# Allegro board 20250806_UNOQ.brd (continued)
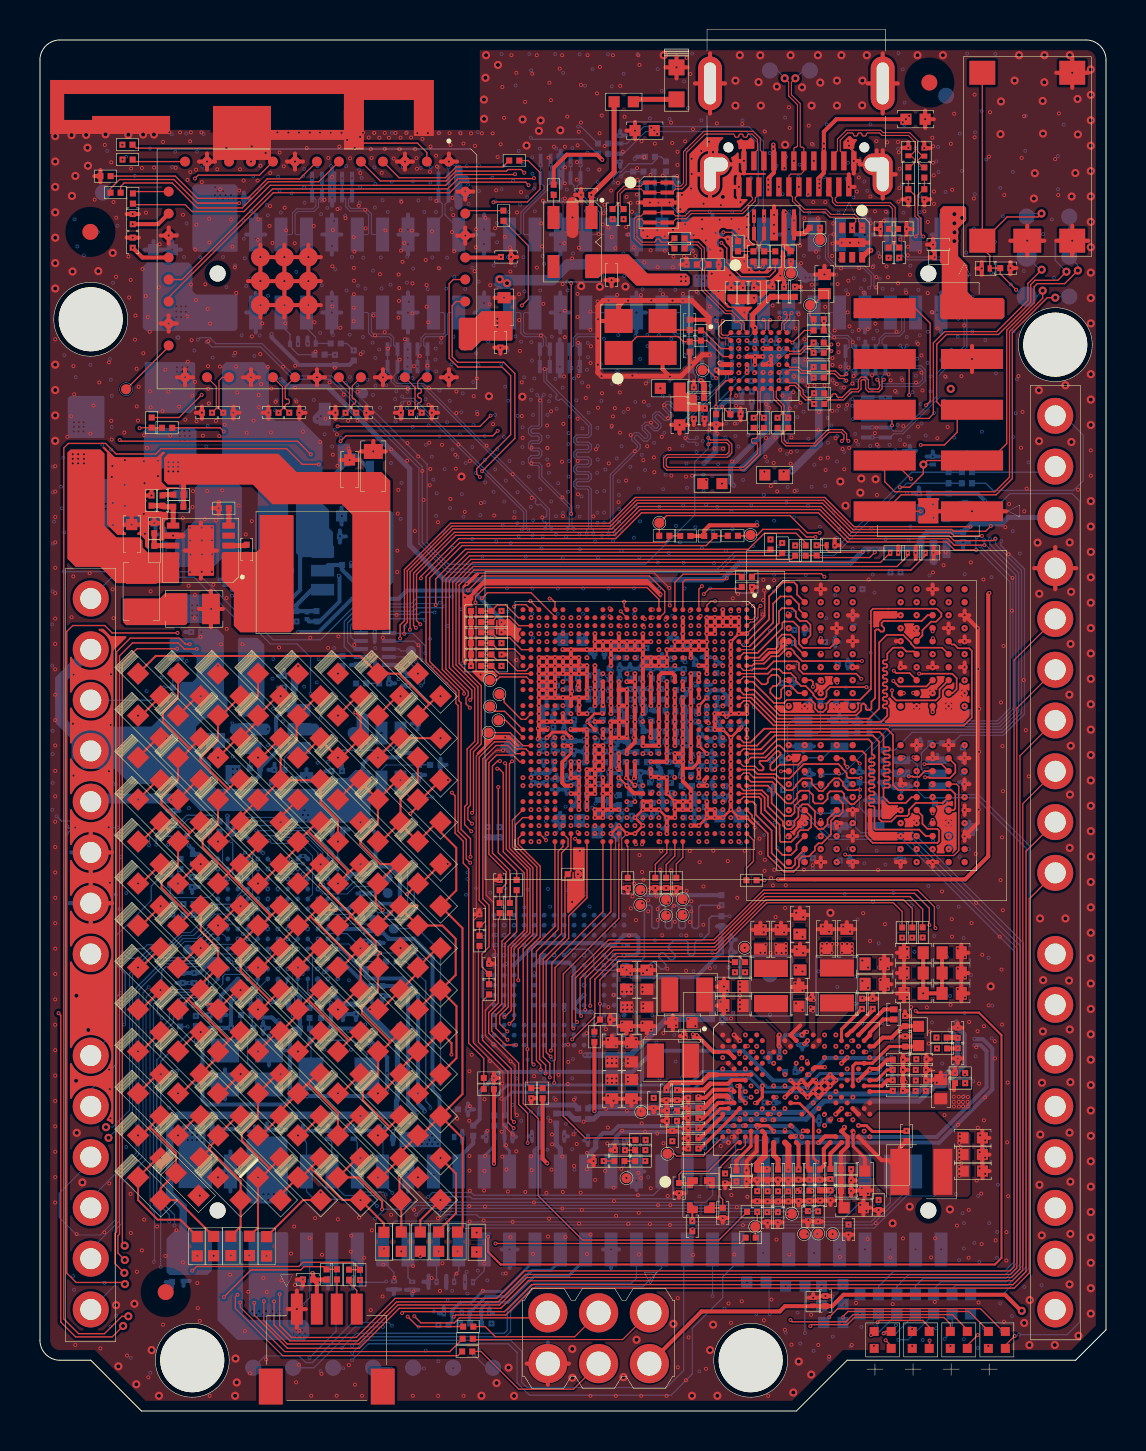
[diagram p0: board, top side]
## Routing (per net, layer and track width the routed paths; a pad name or vN(x,y) marks a point on that pad's centre or on a via; arc(x,y) is an arc through that point) (continued)
  S6 w0.064: v5(17.16,4.21) 17.07,4.21 16.27,5 16.27,7.81 11.18,12.9 v3(11.18,14.15)
  BOTTOM w0.066: v5(17.16,4.21) 15.76,4.21 13.72,2.17 TP1208.1
TP_JTAG_TDI: length 45.2
  TOP w0.066: v2(24.7,17.33) 24.61,17.42 24.61,23.09 25.77,24.25 SOC1.AE30
  S3 w0.064: 19.43,15.34 18.64,14.55 10.79,14.55 v3(10.52,14.83)
  S3 w0.066: 19.43,15.34 21.48,17.39 24.64,17.39 v2(24.7,17.33)
  S6 w0.064: v3(10.52,14.83) 11.03,14.83 11.5,14.36 11.5,12.79 16.43,7.86 16.43,5.29 17.41,4.31 v4(17.41,4.05)
  G7 w0.064: v4(17.41,4.05) 17.36,4.05 17.05,3.74 17.05,2.78 16.41,2.14 v5(15.18,2.14)
  BOTTOM w0.066: TP1209.1 14.7,2.14 v5(15.18,2.14)
TP_JTAG_TDO: length 44
  TOP w0.066: v2(25.3,16.89) 25.3,17.3 25,17.6 25,22.79 26.1,23.89 26.1,27.92 26.42,28.25 26.42,28.63 26.17,28.88
  S3 w0.064: v2(25.3,16.89) 21.51,16.89 18.85,14.22 11.81,14.22 11.35,13.77 v3(10.77,13.77)
  S6 w0.064: v4(17.36,3.75) 17.33,3.78 17.24,3.78 16.14,4.88 16.14,7.64 10.77,13.01 v3(10.77,13.77)
  G7 w0.064: v4(17.36,3.75) 17.36,2.31 v5(17.55,2.12)
  BOTTOM w0.066: TP1210.1 17.5,2.17 v5(17.55,2.12)
TP_JTAG_TMS: length 47.9
  S3 w0.064: v2(25.77,28.88) 25.54,29.11 25.24,29.11 25.19,29.06 24.9,29.06 24.61,29.35 22.04,29.35 21.76,29.63 21.42,29.63 20.67,28.88 v3(19.45,28.88) ; v3(17.58,15.09) 11.73,15.09 11.07,15.75 v3(10.24,15.75)
  S6 w0.064: v3(17.58,15.09) 17.73,15.09 19.79,17.14 19.79,26.85 19.26,27.37 19.26,28.69 v3(19.45,28.88) ; v3(10.24,15.75) 10.75,15.75 11.82,14.68 11.82,12.94 16.75,8.01 16.75,5.51 17.81,4.45 17.81,3.96 v4(17.79,3.94)
  G7 w0.064: v4(17.79,3.94) 17.79,3.69 19.22,2.26 v5(19.22,2.13)
  BOTTOM w0.066: v5(19.22,2.13) 19.21,2.14 18.7,2.14 TP1211.1
TP_JTAG_TRST_N: length 46.7
  TOP w0.066: v2(25.51,16.69) 25.51,17.39 25.18,17.72 25.18,22.61 26.27,23.7 26.27,26.71 R1208.1 26.57,27.01 26.57,28.71 26.57,28.71 SOC1.AC29
  S3 w0.066: v3(10.24,13.56) 10.39,13.41 11.28,13.41 11.84,13.97 18.85,13.97 21.5,16.62 25.44,16.62 v2(25.51,16.69)
  S6 w0.064: v4(18.1,3.68) 17.76,3.68 17.54,3.46 17.33,3.46 15.99,4.8 15.99,7.58 10.24,13.33 v3(10.24,13.56)
  G7 w0.064: v4(18.1,3.68) 19.64,2.14 v5(20.67,2.14)
TP_USB0_SS_RX1_M: length 4.3
  S3 w0.051: v2(32.27,24.9) 32.27,25.07 32.32,25.12 32.44,25.12 32.77,25.45 32.77,28.69 v2(32.97,28.88)
TP_USB0_SS_RX1_P: length 4.2
  S3 w0.051: v2(32.27,25.47) 32.2,25.4 32.2,25.29 32.24,25.25 32.39,25.25 32.65,25.5 32.65,28.8 v2(32.57,28.88)
TP_USB0_SS_TX1_M: length 5.4
  S3 w0.051: v2(31.44,25.44) 31.44,25.3 31.53,25.21 31.67,25.21 31.83,25.37 31.83,25.72 32.27,26.16 32.27,28.32 32.27,29.02 32.41,29.16 32.41,29.37 32.29,29.49 32.18,29.49 32.1,29.41 32.1,29.34 32.16,29.28 v2(32.17,29.28)
TP_USB0_SS_TX1_P: length 5.6
  S3 w0.051: v2(32.17,29.68) 32.24,29.6 32.34,29.6 32.52,29.42 32.52,29.11 32.38,28.97 32.38,28.35 32.39,28.35 32.39,26.11 31.95,25.67 31.95,25.32 31.72,25.09 31.54,25.09 31.41,24.96 v2(31.41,24.9)
USB0_HS_DM: length 96.9
  TOP w0.053: v6(37.8,66.66) 37.6,66.47 37.6,65.84 38.04,65.4 38.04,63.27 38.09,63.21 38.17,63.21 38.22,63.16 JUSB1.B7 38.22,62.02 38.07,61.87 37.57,61.87 37.47,61.78 JUSB1.A7 37.47,60.9 37.65,60.72 37.65,60.52 38.2,59.97 39.27,59.97 39.53,59.72 40.72,59.72 40.82,59.62 40.82,59.49 40.64,59.31 v2(40.64,59.18)
  S3 w0.051: v2(40.64,59.18) 40.66,59.16 v3(40.66,58.9) ; v2(31.77,28.88) 31.82,28.94 31.97,28.94 32.02,28.89 32.02,28.78 31.86,28.62 31.86,26.41 30.49,25.04 28.95,25.04 27.94,24.02 24.6,24.02 19.77,19.2 18.62,19.2 17.69,18.27 17.69,17.69 17.56,17.56 17.56,16.92 v3(17.38,16.74)
  S6 w0.051: v3(17.38,16.74) 17.53,16.89 17.53,17.22 17.17,17.58 17.1,17.58 17.05,17.53 16.98,17.53 16.91,17.6 16.91,17.68 16.95,17.72 16.95,17.79 15.88,18.87 15.88,22.33 15.02,23.19 15.02,41.18 18.25,44.4 21.63,44.4 24.4,47.17 27.37,47.17 28.17,47.98 30.29,47.98 30.74,48.42 30.74,53.16 34.82,57.24 40.31,57.24 40.85,57.78 40.85,58.72 v3(40.66,58.9)
  BOTTOM w0.053: v6(37.8,66.66) 38.19,67.05 TP2613.1
USB0_HS_DP: length 96.6
  TOP w0.053: v2(37.97,61.23) 37.97,60.88 37.79,60.7 37.79,60.58 38.26,60.11 39.33,60.11 39.59,59.86 40.78,59.86 40.96,59.68 40.96,59.5 41.14,59.32 v2(41.14,59.18) ; v6(37.26,66.66) 37.46,66.47 37.46,65.78 37.9,65.34 37.9,63.27 37.85,63.21 37.77,63.21 37.72,63.16 v2(37.72,62.53)
  S3 w0.051: v2(37.72,62.53) 37.72,62.05 37.97,61.8 v2(37.97,61.23) ; v3(41.14,58.9) v2(41.14,59.18) ; v3(17.85,16.74) 17.68,16.91 17.68,17.51 17.81,17.64 17.81,18.22 18.67,19.08 19.83,19.08 24.65,23.9 27.99,23.9 29,24.92 30.56,24.92 31.98,26.34 31.98,28.57 32.14,28.73 32.14,29.02 32.03,29.14 31.91,29.14 v2(31.77,29.28)
  S6 w0.051: v3(17.85,16.74) 17.85,16.75 17.65,16.95 17.65,17.27 16,18.92 16,22.38 15.14,23.24 15.14,41.12 18.3,44.28 21.68,44.28 24.45,47.05 27.42,47.05 28.22,47.85 30.34,47.85 30.86,48.37 30.86,53.11 34.87,57.12 40.36,57.12 40.97,57.73 40.97,58.73 v3(41.14,58.9)
  BOTTOM w0.053: v6(37.26,66.66) 37.26,66.69 36.9,67.05 TP2612.1
USB0_HS_REXT: length 2
  TOP w0.05: SOC1.K30 31.77,28.33
  TOP w0.066: 31.77,28.33 31.77,27.76 31.33,27.32 R1203.1
USB0_SS_REXT: length 1.9
  TOP w0.05: SOC1.J30 32.17,28.33
  TOP w0.066: R1202.1 31.84,27.36 32.17,27.69 32.17,28.33
USB0_SS_RX0_M: length 78
  TOP w0.053: v2(33.84,54.53) 33.95,54.42 33.95,53.83 34.1,53.67 34.44,53.67 U3001.B1
  S3 w0.051: v2(33.84,54.53) 33.74,54.43 v3(33.74,54.25) ; v2(33.37,28.48) 33.23,28.35 33.23,25.27 32.45,24.49 29.16,24.49 28.23,23.55 24.85,23.55 19.64,18.34 19.22,18.34 v3(19.05,18.17)
  S6 w0.051: v3(19.05,18.17) 18.9,18.32 18.34,18.32 16.75,19.91 16.75,22.74 15.91,23.57 15.91,40.84 18.64,43.58 22.26,43.58 25.05,46.37 28.01,46.37 28.78,47.14 29.46,47.14 29.59,47.02 29.59,46.66 29.64,46.61 29.84,46.61 29.89,46.66 29.89,47.02 30.01,47.14 30.32,47.14 30.44,47.02 30.44,46.66 30.49,46.61 30.69,46.61 30.74,46.66 30.74,47.02 30.87,47.14 31.37,47.14 31.73,47.5 31.73,49.7 31.85,49.82 32.23,49.82 32.28,49.87 32.28,50.08 32.23,50.13 31.85,50.13 31.73,50.25 31.73,50.55 31.85,50.68 32.23,50.68 32.28,50.73 32.28,50.93 32.23,50.98 31.85,50.98 31.73,51.1 31.73,51.41 31.85,51.53 32.23,51.53 32.28,51.58 32.28,51.78 32.23,51.84 31.85,51.84 31.73,51.96 31.73,52.46 32.44,53.17 33.79,53.17 33.94,53.32 33.94,54.05 v3(33.74,54.25)
USB0_SS_RX0_P: length 78.1
  TOP w0.053: U3001.A1 34.44,53.81 34.16,53.81 34.09,53.89 34.09,54.46 v2(34.16,54.53)
  S3 w0.051: v3(34.21,54.25) 34.21,54.48 v2(34.16,54.53) ; v2(32.97,28.48) 33.11,28.34 33.11,25.32 32.4,24.61 29.11,24.61 28.18,23.67 24.8,23.67 19.59,18.46 19.24,18.46 v3(19.05,18.65)
  S6 w0.051: v3(34.21,54.25) 34.06,54.1 34.06,53.27 33.84,53.05 32.49,53.05 31.85,52.41 31.85,52.01 31.9,51.96 32.28,51.96 32.4,51.83 32.4,51.53 32.28,51.41 31.9,51.41 31.85,51.36 31.85,51.15 31.9,51.1 32.28,51.1 32.4,50.98 32.4,50.68 32.28,50.55 31.9,50.55 31.85,50.5 31.85,50.3 31.9,50.25 32.28,50.25 32.4,50.13 32.4,49.82 32.28,49.7 31.9,49.7 31.85,49.65 31.85,47.45 31.42,47.02 30.92,47.02 30.87,46.97 30.87,46.61 30.74,46.49 30.44,46.49 30.32,46.61 30.32,46.97 30.27,47.02 30.06,47.02 30.01,46.97 30.01,46.61 29.89,46.49 29.59,46.49 29.46,46.61 29.46,46.97 29.41,47.02 28.83,47.02 28.06,46.25 25.1,46.25 22.31,43.46 18.69,43.46 16.03,40.79 16.03,23.62 16.87,22.79 16.87,19.96 17.34,19.49 17.42,19.49 17.48,19.54 17.56,19.54 17.64,19.46 17.64,19.38 17.59,19.32 17.59,19.24 17.67,19.16 17.75,19.16 17.81,19.21 17.89,19.21 17.97,19.13 17.97,19.05 17.92,19 17.92,18.91 18,18.83 18.08,18.83 18.13,18.88 18.22,18.88 18.3,18.8 18.3,18.72 18.24,18.67 18.24,18.59 18.39,18.44 18.84,18.44 v3(19.05,18.65)
USB0_SS_TX0_M: length 81.4
  TOP w0.053: U3001.A7 37.1,54.07 37.1,54.41 37.38,54.69 37.38,54.83 v2(37.28,54.93)
  S3 w0.051: v3(37.19,55.22) 37.28,55.13 v2(37.28,54.93) ; v3(18.35,17.88) 18.53,17.69 19.39,17.69 24.97,23.27 28.39,23.27 29.29,24.18 32.46,24.18 33.48,25.2 33.48,28.26 33.6,28.38 33.6,28.56 32.7,29.45 32.7,29.6 32.62,29.68 v2(32.57,29.68)
  S6 w0.051: v3(18.35,17.88) 18.17,17.7 17.9,17.7 17.75,17.85 17.75,17.93 17.8,17.98 17.8,18.06 17.72,18.14 17.64,18.14 17.59,18.09 17.51,18.09 17.43,18.17 17.43,18.26 17.47,18.3 17.47,18.39 17.39,18.47 17.31,18.47 17.26,18.42 17.18,18.42 17.1,18.5 17.1,18.58 17.15,18.63 17.15,18.71 17.06,18.8 16.98,18.8 16.93,18.75 16.85,18.75 16.46,19.14 16.46,22.56 15.6,23.42 15.6,40.97 18.48,43.86 22.02,43.86 24.82,46.66 27.64,46.66 28.43,47.45 30.6,47.45 31.41,48.26 31.41,52.87 34.07,55.54 36.64,55.54 36.83,55.73 37.29,55.73 37.39,55.63 37.39,55.42 v3(37.19,55.22)
USB0_SS_TX0_P: length 81.5
  TOP w0.053: U3001.A8 37.24,54.07 37.24,54.36 37.52,54.63 37.52,54.84 v2(37.61,54.93)
  S3 w0.051: v3(18.35,17.4) 18.52,17.57 19.44,17.57 25.02,23.15 28.44,23.15 29.34,24.05 32.51,24.05 33.6,25.15 33.6,28.21 33.72,28.33 33.72,28.61 32.82,29.5 32.82,29.6 32.9,29.68 v2(32.97,29.68) ; v2(37.61,54.93) 37.61,55.16 v3(37.67,55.22)
  S6 w0.051: v3(18.35,17.4) 18.17,17.58 17.85,17.58 16.34,19.09 16.34,22.5 15.47,23.37 15.47,41.02 18.43,43.98 21.97,43.98 24.77,46.78 27.58,46.78 28.37,47.57 30.55,47.57 31.29,48.31 31.29,52.92 34.02,55.66 36.59,55.66 36.78,55.85 37.34,55.85 37.51,55.68 37.51,55.38 v3(37.67,55.22)
USB_CC1: length 3.9
  TOP w0.066: U2602.7 37.23,59.96 v2(37.31,59.96)
  TOP w0.254: 37.23,59.96 U2602.4 37.23,58.35 R3005.2
  S3 w0.2: v2(38.44,60.86) 38.4,60.86 38.39,60.85
  S3 w0.254: 38.39,60.85 38.21,60.85 v2(37.31,59.96)
USB_CC1_R_MUX: length 10.4
  TOP w0.254: U3001.E1 34.09,52.34 v2(34.01,52.43) ; TP3004.1 37.58,57.5 v2(37.56,57.51)
  S3 w0.254: v2(37.56,57.51) 37.34,57.51 36.91,57.94 34.95,57.94 34.12,57.1 34.12,55.91 33.38,55.17 33.38,53.56 34.01,52.93 v2(34.01,52.43)
USB_CC2: length 5.6
  TOP w0.254: R3006.2 38.23,58.9 U2602.5 U2602.6
  S3 w0.254: v2(37.73,59.55) 37.69,59.52 37.09,59.52 36.88,59.73 36.88,60.01 37.55,60.67 37.55,61.59 37.25,61.88 v2(37.25,62.16)
USB_CC2_R_MUX: length 13.3
  TOP w0.254: v2(39.02,59.19) 39.02,58.59 TP3005.1 ; v2(33.83,52.07) 33.87,52.07 33.99,51.94 U3001.F1
  S3 w0.254: v2(33.83,52.07) 33.71,52.2 33.71,52.78 33.01,53.48 33.01,55.24 33.77,55.99 33.77,57.27 34.77,58.27 36.91,58.27 37.24,58.61 38.45,58.61 v2(39.02,59.19)
USB_I2C_SCL: length 36.5
  TOP w0.066: R3014.1 34.41,43.77 R3027.2 33.74,43.7 33.33,43.29 21.12,43.29 19.5,41.67 19.5,37.49 20.96,36.03 20.96,35.53 21.07,35.42 21.07,29.1 21.54,28.63 v2(21.54,27.72)
  S3 w0.064: v2(21.54,27.72) 21.62,27.8 25.5,27.8 26.58,28.88 26.82,28.88 v2(26.9,28.96)
USB_I2C_SDA: length 34.9
  TOP w0.066: R3026.2 32.03,43.78 R3015.1 31.49,43.64 31.29,43.44 21.01,43.44 19.31,41.75 19.31,37.46 20.81,35.96 20.81,35.4 20.92,35.29 20.92,29 21.33,28.59 21.33,27.62 v2(21.52,27.43) ; SOC1.AB30 26.97,28.48 26.83,28.62 v2(26.78,28.62)
  S3 w0.064: v2(21.52,27.43) 21.75,27.65 25.57,27.65 26.42,28.5 26.65,28.5 v2(26.78,28.62)
USB_IN_MID: length 9.8
  TOP w0.15: 41.27,12.66 40.69,13.24 40.69,13.59 40.68,13.6 40.68,13.83 40.69,13.84 40.69,13.98 PMIC1.V24
  TOP w0.2: C608.1 41.27,12.66
  S3 w0.064: v2(40.71,13.93) 40.9,13.74 v3(40.96,13.74)
  S3 w0.2: v3(37.02,17.06) 37.03,17.06 37.03,17.07 v2(37.28,16.83)
  V5 w0.2: v3(37.02,17.06) 37.03,17.06 37.03,17.07 37.98,16.13 v3(38.71,16.13)
  S6 w0.064: v3(37.02,17.06) 37.12,16.97 37.19,16.97 v5(37.26,16.89)
  S6 w0.2: v3(38.71,16.13) 39.88,16.13 40,16.01 40,14 40.26,13.74 v3(40.96,13.74)
USB_PHY_PS: length 28.2
  TOP w0.066: SOC1.AJ29 23.93,28.64 23.93,28.35 25.03,27.25 25.03,23.71 24.39,23.07 v2(24.39,18.1) 24.39,16.34 R1320.1 R1319.2 ; v2(26.63,18.59) 27.76,19.72 27.76,21.59 28.91,22.73 35,22.73 R902.2
  S3 w0.064: v2(24.39,18.1) 24.82,18.53 26.57,18.53 v2(26.63,18.59)
USB_VBUS_IN: length 100.1
  TOP w0.2: C601.1 40.08,10.33 C603.1 C602.1 R601.1 40.08,12.93 40.41,13.26 40.41,13.69 PMIC1.W23 PMIC1.V22
  TOP w0.203: PMIC1.V22 40.23,14.12 40.23,14.16 40.27,14.16 40.27,14.21 v2(40.24,14.21)
  S3 w0.1: v2(44.32,16.01) 43.47,15.16 40.73,15.16 40.63,15.06 40.44,15.06 40.31,14.93 40.31,14.45 v3(40.51,14.25)
  S3 w0.203: v3(40.51,14.25) 40.47,14.21 v2(40.24,14.21)
  S3 w0.4: v3(13.37,49.49) 13.37,53.39 v3(13.56,53.58) ; v2(31.04,51.16) 30.73,51.46 29.42,51.46 29.52,51.35 29.52,50.7 29.93,50.29 31.88,50.29 32.65,49.52 33.92,49.52 34.75,48.7 34.75,44.67 37.84,41.58 v3(38.78,41.58)
  S3 w0.5: 29.42,51.46 28.06,51.46 v3(27.83,51.69)
  V5 w0.4: v3(13.56,53.58) 19.44,53.58 21.23,51.78 24.39,51.78 25.63,53.03 27.33,53.03 27.83,52.53 v3(27.83,51.69)
  S6 w0.5: v3(13.37,49.49) 13.51,49.63 v5(13.88,49.63) ; v4(38.99,41.4) 38.84,41.55 38.81,41.55 38.81,41.58 v3(38.78,41.58)
  G7 w0.4: v4(38.99,41.4) 39.34,41.75 40.7,41.75 41.56,42.61 48.49,42.61 49.22,41.88 49.22,33.37 48.21,32.36 48.21,21 49.19,20.02 49.19,14.27 48.86,13.94 47.07,13.94 46.06,14.95 42.53,14.95 41.84,14.25 v4(41.1,14.25)
  BOTTOM w0.5: Q2801.3 14.11,49.86 v5(13.88,49.63)
  vias: v4(14.05,49.76) v4(39.14,41.26) v4(40.89,14.25) v5(14.05,49.76)
VCOIN: length 77.6
  TOP w0.2: C708.1 C711.1 v2(44.19,20.89) C712.1 C710.1 C709.1
  TOP w0.203: PMIC1.H16 38.47,16.83 v2(38.48,16.81)
  S3 w0.203: v2(44.19,20.89) 44.19,20.79 v3(44.33,20.65) ; v2(38.48,16.81) 38.46,16.79 v3(38.46,16.54)
  V5 w0.203: v3(38.46,16.54) 38.53,16.61 39.24,16.61 40.87,18.24 40.87,20.7 41.61,21.44 44.02,21.44 44.15,21.31 44.15,20.84 v3(44.33,20.65)
  S6 w0.203: v5(18.39,14.53) 18.39,13.62 22.5,9.51 22.62,9.51 24.11,8.02 35.62,8.02 35.98,8.38 38.86,8.38 40.04,9.56 40.04,11.76 38.95,12.85 38.93,12.85 38.74,13.04 38.74,13.06 38.24,13.56 38.24,16.32 v3(38.46,16.54)
  BOTTOM w0.254: 18.12,14.8 17.83,15.09 17.83,15.52 17.88,15.57 17.88,18.49 16.02,20.35 C2524.1 C2526.1 14.5,21.01 14.45,21.01 13.9,21.56 MCU1.C1
  BOTTOM w0.381: v5(18.39,14.53) 18.12,14.8 6.94,14.8 6.49,14.35 6.49,10.89 7.16,10.22 7.16,7.32
VCONN_IN: length 3.1
  G2 w0.203: v1(34.95,51.92) 34.95,51.74 34.87,51.66 v2(34.87,51.59)
  S3 w0.203: v2(33.27,50.16) v3(33.07,50.37) ; v2(34.87,51.59) v3(34.87,51.31)
  S6 w0.203: v3(34.87,51.31) 34.01,51.31 v3(33.07,50.37)
VFB_NEG_S3: length 6.2
  S3 w0.058: v2(35.7,17.97) 35.45,17.97 35.29,18.12 35.24,18.17 31.88,18.17 31.44,18.61 31.44,19.68 31.39,19.74 31.29,19.74 31.1,19.53 30.91,19.52
VFB_NEG_S4: length 5.5
  S3 w0.058: 30.13,18.13 30.45,18.13 30.54,18.04 35.16,18.04 35.27,17.93 v2(35.27,17.7)
VFB_S3: length 5.9
  S3 w0.058: 30.89,20.04 31.02,20.05 31.21,19.87 31.44,19.87 31.57,19.74 31.57,18.66 31.93,18.3 35.37,18.3 v2(35.42,18.25)
VFB_S4: length 5
  S3 w0.058: v2(35,17.85) 34.94,17.91 30.7,17.91 30.41,17.62 30.13,17.62
VOLUME_DOWN_N: length 26.2
  TOP w0.066: v6(51.93,57.05) 51.27,56.39 49.9,56.39 49.74,56.23 49.74,55.43 48.37,54.06 48.37,48.39 47.52,47.54 JCTL1.3 44.4,47.54 v6(44.2,47.35) 44.2,46.89 43.52,46.21 v2(43.02,46.21) ; R1321.2 38.32,42.8 R708.1 38.97,42.69 41.51,42.69 v2(41.77,42.95)
  S3 w0.064: v2(41.77,42.95) 43.02,44.2 v2(43.02,46.21)
  BOTTOM w0.066: v6(51.93,57.05) 51.93,57.32 TP2618.1 ; D26001.2 44.67,47.35 v6(44.2,47.35)
VOLUME_DOWN_R: length 28.5
  TOP w0.066: R1321.1 38.31,43.43 37.83,43.91 36.25,43.91 35.45,43.11 21.29,43.11 19.8,41.62 v2(19.8,40.32)
  S3 w0.064: v2(19.8,40.32) 19.8,39.7 19.95,39.55 23.8,39.55 24.26,40.01 25.88,40.01 26.17,39.72 v2(26.17,39.68)
VOLUME_UP_N: length 64
  TOP w0.066: 45.9,50.08 45.9,48.97 45.25,48.32 v2(44.07,48.32) ; 45.9,50.08 JCTL1.5 ; 45.9,50.08 45.27,50.08 44.87,50.48 44.87,53.36 45.36,53.85 47.96,53.85 49.57,55.46 49.57,56.34 49.79,56.56 50.93,56.56 v6(51.36,56.99)
  S3 w0.064: v2(44.07,48.32) 43.09,47.34 43.09,47.32 v3(43.01,47.32) ; v3(19.94,28.48) v2(24.57,28.48)
  S6 w0.064: v5(43.21,47.54) 43.21,47.44 43.09,47.32 v3(43.01,47.32) 43.01,47.24 41.38,45.61 41.38,45.03 39.14,42.8 37.4,42.8 36.54,41.94 34.56,41.94 33.22,40.59 22.16,40.59 19.66,38.09 19.66,37.26 20.07,36.86 20.07,28.61 v3(19.94,28.48)
  BOTTOM w0.066: TP2617.1 51.5,59.18 50.8,58.48 50.8,57.55 v6(51.36,56.99) ; D26002.2 43.3,47.63 43.3,47.63 v5(43.21,47.54)
VPH_PWR: length 9.5
  TOP w0.15: PMIC1.D2 33.96,17.96 ; 32.9,18.76 v2(32.87,18.8)
  TOP w0.16: v2(36.14,16.26) 36.14,16.05 36.14,16.05 36.14,15.69 PMIC1.N7
  TOP w0.2: C1004.1 32.9,18.76 33.7,17.96 33.96,17.96 ; PMIC1.G17 38.78,17.2 v2(39.27,17.2) ; PMIC1.B14 PMIC1.A13 38.04,19.29 ; PMIC1.W21 39.8,13.74 39.28,13.74 PMIC1.Y18 ; PMIC1.E3 PMIC1.D2 ; PMIC1.R25 PMIC1.P24
  G2 w0.2: v2(38.93,13.41) 38.94,13.41 38.92,13.43 38.41,13.43 v1(38.12,13.72)
  S3 w0.2: v3(39.07,13.17) 39.07,13.28 38.94,13.41 38.94,13.41 v2(38.93,13.41) ; 36.28,15.89 36.25,15.89 v2(35.77,15.41) ; 36.28,15.89 v3(36.3,15.88) ; 36.28,15.89 36.28,16.05 36.14,16.19 v2(36.14,16.26) ; v2(39.27,17.2) 39.27,17.2 39.23,17.15 v3(39,17.15)
  S6 w0.2: v3(39.07,13.17) 39.07,13.33 v4(38.96,13.44)
  BOTTOM w0.2: C901.1 v5(36.26,15.43)
  vias: v1(32.44,19.61) v1(32.66,18.85) v1(32.79,19.25) v1(37.82,20.4) v1(38.15,20.07) v1(38.56,20.19) v1(38.68,20.02) v1(46.02,13.84) v1(46.02,13.64) v1(46,13.41) v1(46,13) v1(46,12.8) v1(46,12.6) v1(46,12.22) v1(46,11.99) v1(46,11.76) v1(46.08,13.21) v1(46.1,12.4) v2(32.44,19.61) v2(32.66,18.85) v2(32.79,19.25) v2(37.82,20.4) v2(38.15,20.07) v2(38.56,20.19) v2(38.68,20.02) v2(46.02,13.84) v2(46.02,13.64) v2(46,13.41) v2(46,13) v2(46,12.8) v2(46,12.6) v2(46,12.22) v2(46,11.99) v2(46,11.76) v2(46.08,13.21) v2(46.1,12.4) v3(32.47,19.33) v3(32.69,18.57) v3(38.1,20.35) v3(38.91,20.19) v3(46.3,13.77) v3(46.3,13.39) v3(46.3,13) v3(46.31,12.6) v3(46.34,12.22) v3(46.3,11.84) v4(32.44,18.72) v4(32.4,18.52) v4(32.75,19.37) v4(32.72,19.18) v4(36.59,15.86) v4(36.56,15.66) v4(37.84,20.45) v4(37.84,20.23) v4(38.88,16.9) v4(39.13,16.91) v4(39.17,20.32) v4(39.17,20.09) v4(45.85,13.71) v4(45.87,13.44) v4(45.85,13.17) v4(45.87,12.9) v4(45.88,12.63) v4(45.91,12.36) v4(45.88,12.09) v4(45.91,11.82) v4(46.03,13.83) v4(46.01,13.6) v4(46.03,13.29) v4(46.01,13.06) v4(46.05,12.51) v4(46.05,11.97) v4(46.06,12.74) v4(46.06,12.2) v4(46.06,11.7)
VREF_LPDDR3: length 11.2
  TOP w0.066: C717.1 v2(36.38,9.95) ; PMIC1.M10 v2(36.85,15.7)
  S3 w0.203: v2(36.85,15.7) 37.03,15.52 v3(37.08,15.52) ; v3(36.18,9.73) 36.17,9.73 36.17,9.74 36.2,9.74 36.2,9.7 36.38,9.89 v2(36.38,9.95)
  S6 w0.203: v3(37.08,15.52) 37.08,15.42 36.88,15.22 36.88,14.24 37.3,13.82 37.44,13.82 38.78,12.48 38.79,12.48 39.67,11.6 39.67,10.42 39,9.75 36.25,9.75 36.2,9.7 36.2,9.74 36.17,9.74 36.17,9.73 v3(36.18,9.73)
VREF_MSM_1P25V: length 48.8
  TOP w0.127: PMIC1.N13 37.58,15.4 38,15.4 38.69,14.71 38.69,12.66 v2(38.9,12.45)
  S3 w0.127: v2(38.65,11.02) 38.65,12.2 v2(38.9,12.45)
  S3 w0.2: v3(26.17,32.61) v2(26.17,32.88) ; v3(26.23,33.94) 26.25,33.94 26.25,33.94 26.29,33.9 26.29,33.88 26.18,33.77 26.18,33.67 26.17,33.67 26.17,33.67 v2(26.17,33.67)
  S3 w0.203: v3(38.95,11.02) v2(38.65,11.02)
  S6 w0.15: v5(25.71,32.49) 25.14,31.92 v5(24.68,31.92) 22.43,31.92 22.1,31.59 22.1,15.95 27.6,10.45 38.38,10.45 v3(38.95,11.02)
  S6 w0.2: v3(26.23,33.94) 26.25,33.94 26.25,33.94 26.29,33.9 26.29,33.88 26.22,33.88 25.93,33.6 25.93,32.89 25.96,32.86 25.96,32.81 v3(26.17,32.61) 26.05,32.49 v5(25.71,32.49)
  BOTTOM w0.2: v5(24.68,31.92) C1703.1
  BOTTOM w0.203: C1703.1 25.47,31.92 25.71,32.16 v5(25.71,32.49)
VREF_TXDAC_1P25V: length 37.3
  S3 w0.2: v3(26.66,35.14) 26.57,35.04 v2(26.57,34.88)
  S3 w0.203: v2(30.71,15.66) 31.08,15.29 32.07,15.29 32.18,15.19 32.16,15.19 32.12,15.19 32.12,15.07 32.15,15.07 32.15,15.06 v3(32.14,15.06) ; v2(36.27,14.55) 36.37,14.45 v3(36.37,14.27)
  V5 w0.2: v3(32.14,15.06) 32.15,15.06 32.15,15.07 32.12,15.07 32.12,15.06 32,15.19 31.55,15.19 31.01,15.72 27.24,15.72 23.76,19.2 23.76,34.05 25.49,35.78 26.45,35.78 26.66,35.57 v3(26.66,35.14)
  V5 w0.203: v3(32.14,15.06) 32.14,14.95 32.5,14.59 32.83,14.59 33.16,14.92 33.52,14.92 34.75,13.69 35.7,13.69 36.22,14.21 36.37,14.21 v3(36.37,14.27)
  S6 w0.2: v3(26.66,35.14) 26.67,35.13 v5(26.94,35.13)
VREG_L1A_0P848V: length 16.1
  TOP w0.1: v2(29.37,31.28) 28.99,31.66 v2(28.95,31.66)
  TOP w0.2: v2(28.17,34.48) v2(27.77,34.48) ; 31.37,34.88 v3(31.37,34.48) v2(31.37,34.08) v1(31.37,33.68) v1(31.37,33.28) v1(31.37,32.88) v2(31.37,32.48) v2(30.57,32.48) ; v2(32.57,36.88) v2(32.57,36.08) v2(32.57,35.28) v2(32.57,34.48) v2(32.57,33.28) v2(32.57,32.48) ; 30.17,30.88 30.17,30.9 29.72,30.9 29.37,31.26 v2(29.37,31.28) ; v2(31.37,36.48) v3(31.37,36.08) v3(31.37,35.28) ; v1(28.57,34.88) v2(28.57,35.28) v1(28.57,35.68) v2(28.57,36.08) v1(28.57,36.48) v2(28.57,36.88) ; v2(26.97,32.48) v2(26.97,32.08)
  S3 w0.2: v2(29.37,31.28) 29.43,31.22 v3(29.43,31) ; v3(29.84,33.16) 29.77,33.09 v2(29.77,32.88) ; v2(28.95,31.66) 28.95,31.66 28.97,31.66 28.97,31.68 28.67,31.68 28.67,31.67 v3(28.67,31.67)
  S6 w0.2: v5(32.7,32.71) 32.79,32.81 33.06,32.81 33.1,32.84 v5(33.1,32.86) ; v3(26.97,32.78) 26.97,32.68 v5(26.75,32.46) ; v4(29.71,32.84) 29.71,33.03 v3(29.84,33.16) ; v3(31.36,33.19) 31.52,33.03 31.54,33.03 31.55,33.02 31.55,33 v5(31.56,33)
  BOTTOM w0.203: C1903.1 32.66,32.31 v5(32.76,32.2) ; C1727.1 32.59,31.8 v5(32.63,31.76) ; C1738.1 32.85,34.83 v5(32.84,34.82)
  vias: v1(31.38,35.73) v1(31.39,34.89) v1(32.56,31.73) v1(35.03,21.44) v1(35.02,21.22) v1(35.02,21) v1(35.02,20.78) v1(35.02,20.55) v1(35.02,20.33) v1(35.02,20.11) v2(31.38,35.73) v2(31.39,34.89) v2(32.56,31.73) v2(35.03,21.44) v2(35.02,21.22) v2(35.02,21) v2(35.02,20.78) v2(35.02,20.55) v2(35.02,20.33) v2(35.02,20.11) v3(28.42,34.66) v3(28.6,36.58) v3(28.57,35.78) v3(28.57,34.98) v3(31.38,33.73) v3(32.55,32.03) v3(32.58,36.56) v3(32.57,35.77) v3(32.61,34.98) v3(32.62,33.01) v3(35.31,21.35) v3(35.31,20.97) v3(35.31,20.59) v3(35.31,20.22) v4(28.37,36.75) v4(28.4,36.02) v4(28.44,35.51) v4(28.63,37.01) v4(28.56,36.15) v4(28.79,35.16) v4(28.76,34.67) v4(29.01,31.41) v4(29.52,31.44) v4(29.6,31.25) v4(31.07,36.12) v4(31.21,36.55) v4(31.29,34) v4(31.29,33.46) v4(31.35,35.01) v4(31.75,34.48) v4(32.63,35.48) v4(32.78,36.38) v4(35.6,21.5) v4(35.6,21.27) v4(35.6,21.05) v4(35.6,20.83) v4(35.6,20.61) v4(35.6,20.38) v4(35.6,20.16) v5(28.37,36.75) v5(28.4,36.02) v5(28.44,35.51) v5(28.63,37.01) v5(28.56,36.15) v5(28.79,35.16) v5(28.76,34.67) v5(29.01,31.41) v5(29.52,31.44) v5(29.6,31.25) v5(31.07,36.12) v5(31.21,36.55) v5(31.29,34) v5(31.29,33.46) v5(31.35,35.01) v5(31.75,34.48) v5(32.63,35.48) v5(32.78,36.38)
VREG_L2A_1P128V: length 13.4
  TOP w0.084: v2(37.07,32) 37.09,32 37.1,32.01 DRAM1.R1
  TOP w0.2: v2(38.41,18.53) 38.24,18.36 v2(38.24,18.36) ; DRAM1.K10 v2(44.66,34.96)
  S3 w0.127: v2(37.46,33.34) 37.72,33.34 v3(37.75,33.3) ; v3(46.55,33.31) v2(46.26,33.31) ; v2(38.26,31.28) 38.19,31.35 v3(37.99,31.35) ; v2(42.97,31.89) 42.67,31.89 v3(42.62,31.84) ; v2(40.66,36.56) 40.66,36.51 v3(40.49,36.34) ; v3(43.27,38.05) 43.25,38.05 v2(43.06,37.86) ; v2(37.31,36.56) 37.12,36.75 v3(37.12,36.77) ; v2(37.07,32) 36.69,32 v3(36.58,32.11) ; v3(38.55,37.22) 38.53,37.2 v2(38.27,37.2) ; v3(40.46,38.05) 40.47,38.05 v2(40.66,37.86) ; v3(43.35,36.56) 43.07,36.56 v2(43.06,36.56) ; v3(38.45,35.42) 38.54,35.34 38.84,35.34 38.85,35.32 v2(39.06,35.32) ; v3(38.04,35.4) 37.96,35.32 v2(37.46,35.32) ; v3(38.66,33.3) 38.69,33.34 v2(39.06,33.34)
  S3 w0.2: v2(46.26,32.01) v3(46.55,32.01) ; v3(44.94,34.98) 44.93,34.98 44.92,34.96 v2(44.66,34.96) ; v3(33.05,35.27) 33.05,35.27 33.05,35.27 33.06,35.27 33.06,35.24 33.06,35.26 33.1,35.26 33.1,35.23 33.15,35.28 v2(33.37,35.28) ; v2(39.86,27.46) 39.86,27.19 v3(39.85,27.17) ; v2(43.86,27.46) v3(43.86,27.17) ; v2(33.37,32.08) 33.37,31.91 33.49,31.79 33.4,31.79 33.4,31.8 v3(33.47,31.8) ; v2(40.66,30.71) v3(40.39,30.71) ; v2(43.06,30.71) v3(42.72,30.71) ; v3(33.37,36.76) 33.37,36.49 v2(33.43,36.49) ; v3(46.55,35.26) 46.55,35.26 v2(46.26,35.26) ; v2(33.37,30.88) 33.37,31.06 33.45,31.14 v3(33.45,31.15) ; v2(46.26,36.56) v3(46.55,36.56) ; v2(40.66,32.01) v3(40.46,31.81)
  S3 w0.203: v2(33.39,33.28) 33.39,33.55 v3(33.37,33.57) ; v2(44.66,33.31) 44.86,33.51 v3(44.86,33.51)
  S6 w0.2: v3(39.85,27.17) 40.01,27.34 v5(40.01,27.53) ; v5(37.12,36.4) 37.12,36.77 v3(37.12,36.77) ; v3(46.55,35.26) 46.53,35.26 46.47,35.19 v5(46.47,34.97)
  S6 w0.3: 46.55,33.31 46.43,33.19 v5(46.18,33.19) ; v5(36.61,32.55) 36.61,32.17 36.62,32.16 ; 46.55,32.01 46.49,31.95 v5(46.21,31.95)
  BOTTOM w0.203: v5(34.4,34.25) 34.51,34.36 C2210.1
  vias: v1(39.86,41.12) v1(41.15,22.53) v1(41.15,21.52) v1(41.43,22.18) v1(41.43,21.17) v1(43.86,41.11) v2(39.86,41.12) v2(41.15,22.53) v2(41.15,21.52) v2(41.43,22.18) v2(41.43,21.17) v2(43.86,41.11) v3(46.48,34.66) v3(46.55,33.68) v4(33.84,36.91) v4(34.29,31.25) v5(33.84,36.91) v5(34.29,31.25)
VREG_L3A_0P6V: length 20.4
  TOP w0.125: v1(32.97,35.28) v2(33.37,35.68) ; v2(33.37,32.88) v1(32.97,33.28)
  TOP w0.2: 32.97,34.88 v1(32.97,35.28)
  TOP w0.203: 32.97,36.86 32.97,36.55 v2(32.95,36.55) SOC1.G10 ; 32.97,36.86 SOC1.G9 ; 32.97,36.86 v2(32.97,36.86) ; v1(32.97,33.28) v2(32.97,33.68) ; 32.97,31.68 v2(32.97,32.08)
  G2 w0.203: v1(32.97,33.28) SOC1.G18 33.15,33.1 33.15,33.05
  S3 w0.127: v2(44.66,30.71) 44.51,30.55 v3(44.43,30.55) ; 42.85,27.92 v3(42.8,27.92) ; v2(43.06,29.41) 42.87,29.22 v3(42.84,29.22) ; v3(40.97,29.34) 40.93,29.34 40.87,29.41 v2(40.66,29.41) ; v3(40.93,28.23) 40.79,28.23 v2(40.66,28.11) ; v2(40.66,40.46) v3(40.86,40.65) ; v2(43.06,28.11) 43.04,28.11
  S3 w0.2: v3(44.46,40.65) 44.65,40.46 v2(44.66,40.46) ; v2(40.66,39.16) 40.65,39.16 v3(40.46,39.35) ; v3(39.27,40.65) 39.07,40.46 v2(39.06,40.46) ; v3(44.92,37.71) 44.78,37.86 v2(44.68,37.86) ; v2(46.26,29.41) 46.56,29.41 v3(46.56,29.41) ; v2(39.06,28.11) 39.06,28.1 39.04,28.1 38.95,28.02 38.88,28.02 v3(38.82,27.96) ; v3(42.8,39.22) 42.8,39.22 42.86,39.16 v2(43.06,39.16) ; v2(43.06,40.46) 43.08,40.46 v3(43.27,40.65) ; v3(39.28,38.12) 39.09,37.93 v2(39.07,37.93) ; v2(37.46,29.41) v3(37.46,29.69) ; v3(37.66,39.36) 37.46,39.17 v2(37.46,39.16) ; v3(33.08,35.72) 33.08,35.72 33.08,35.72 33.08,35.71 33.08,35.68 33.11,35.68 v2(33.37,35.68) ; v2(32.97,32.08) 32.97,31.7 v2(32.95,31.7) 32.95,31.67 32.7,31.42 v3(32.7,31.35) ; v2(46.26,39.16) v3(46.55,39.16) ; v3(39.35,30.71) 39.35,30.71 v2(39.06,30.71) ; v2(40.66,40.46) v3(40.86,40.65) ; v2(44.66,28.11) v3(44.97,28.11)
  S6 w0.2: v5(40.75,39.2) 40.6,39.35 v3(40.46,39.35) ; v3(44.97,28.11) 45.25,28.11 45.26,28.1 v5(45.51,28.1) ; v3(33.08,35.72) 33.08,35.72 33.08,35.72 33.08,35.71 33.08,35.68 33.35,35.68 v5(33.4,35.64) ; v5(44.78,30.39) 44.59,30.39 v3(44.43,30.55) ; v3(42.8,27.92) 42.85,27.92 v5(43.03,28.1) ; v5(33.32,37.2) 33.06,37.2 v3(32.99,37.13) ; v5(37.63,29.41) 37.63,29.53 v3(37.46,29.69) ; v5(38.68,27.66) 38.68,27.82 v3(38.82,27.96) ; v5(39.28,38.47) v3(39.28,38.12) ; v3(32.7,31.35) 32.72,31.35 v5(32.91,31.54) ; v5(37.75,39.07) 37.66,39.17 v3(37.66,39.36) ; v5(42.56,41.95) 42.56,41.78 v3(41.89,41.11) v5(41.16,41.11)
  S6 w0.203: v3(32.93,33.41) 32.93,33.75 v5(33.05,33.87)
  G7 w0.15: v5(33.05,33.87) 33.05,33.87 33.05,33.87 33.04,33.87 33.04,33.88 33.06,33.86
  BOTTOM w0.125: v5(32.91,31.54) 33.09,31.35 C1925.1
  BOTTOM w0.2: C1936.1 33.37,35.8 33.6,36.04 34.11,36.04 34.39,35.76 R1401.1
  BOTTOM w0.203: C2203.1 33.41,33.55 33.12,33.84 C1938.1
  BOTTOM w0.254: C2215.1 45.54,28.13 v5(45.51,28.1)
  vias: v1(32.97,34.87) v1(37.28,17.96) v1(37.83,22.18) v1(37.87,23.94) v1(38.16,23.72) v1(38.15,21.99) v2(33.19,33.04) v2(37.28,17.96) v2(37.83,22.18) v2(37.87,23.94) v2(38.16,23.72) v2(38.15,21.99) v3(42.38,28.62) v3(42.54,28.97) v3(42.51,28.17)
